# KiCad board psc_daughter_brd.kicad_pcb (continued)
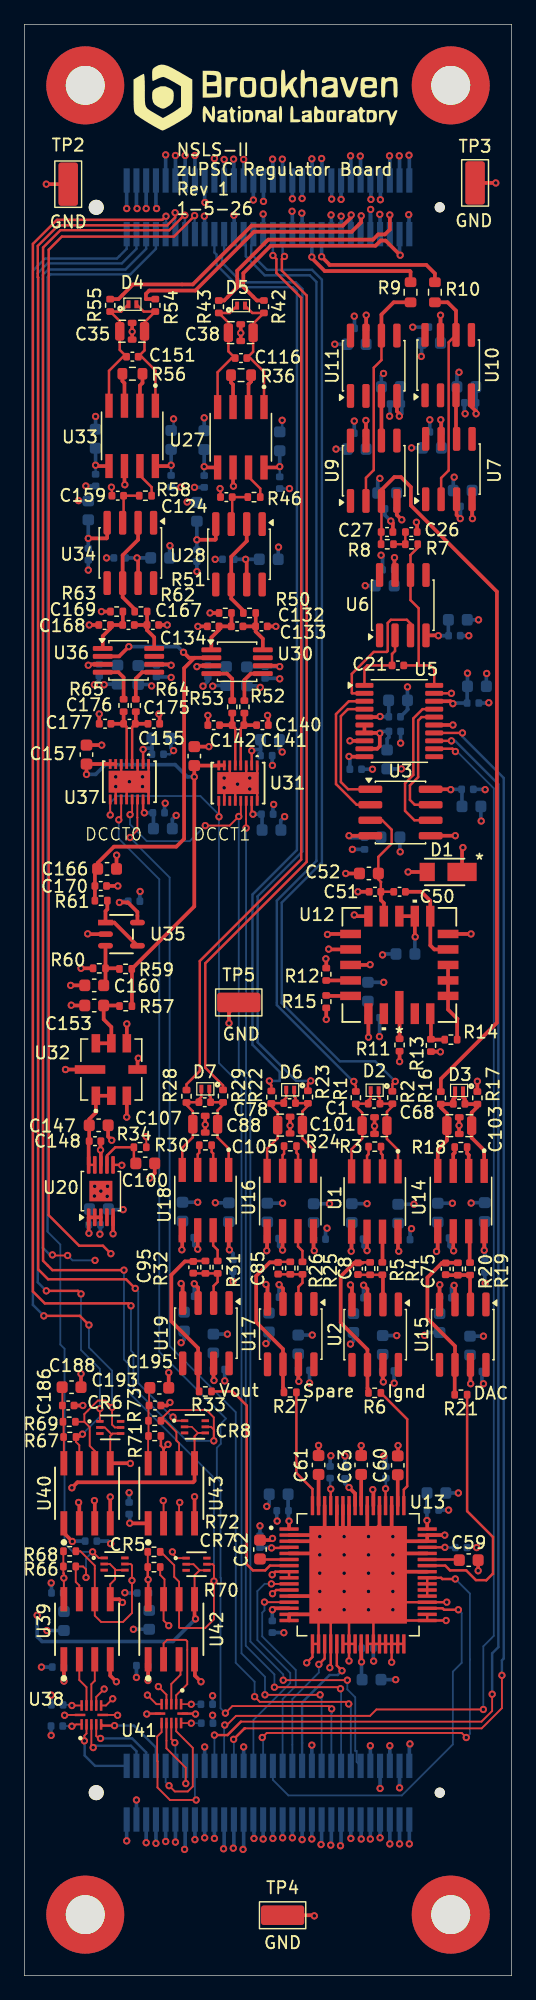
[diagram p0: board, top side]
## Footprints (pads in the part's own frame, mm; a bottom-side part is the same pattern mirrored in y, then rotated)
AMPHENOL_61082-061400LF
  round 0.83 hole 0.83 unplated: (-14.1,0)
  round 1.23 hole 1.23 unplated: (14.1,0)
  rect 0.5x2 smd: 1(11.6,2.2) 2(11.6,-2.2) 3(10.8,2.2) 4(10.8,-2.2) 5(10,2.2) 6(10,-2.2) 7(9.2,2.2) 8(9.2,-2.2) 9(8.4,2.2) 10(8.4,-2.2) 11(7.6,2.2) 12(7.6,-2.2) 13(6.8,2.2) 14(6.8,-2.2) 15(6,2.2) 16(6,-2.2) 17(5.2,2.2) 18(5.2,-2.2) 19(4.4,2.2) 20(4.4,-2.2) 21(3.6,2.2) 22(3.6,-2.2) 23(2.8,2.2) 24(2.8,-2.2) 25(2,2.2) 26(2,-2.2) 27(1.2,2.2) 28(1.2,-2.2) 29(0.4,2.2) 30(0.4,-2.2) 31(-0.4,2.2) 32(-0.4,-2.2) 33(-1.2,2.2) 34(-1.2,-2.2) 35(-2,2.2) 36(-2,-2.2) 37(-2.8,2.2) 38(-2.8,-2.2) 39(-3.6,2.2) 40(-3.6,-2.2) 41(-4.4,2.2) 42(-4.4,-2.2) 43(-5.2,2.2) 44(-5.2,-2.2) 45(-6,2.2) 46(-6,-2.2) 47(-6.8,2.2) 48(-6.8,-2.2) 49(-7.6,2.2) 50(-7.6,-2.2) 51(-8.4,2.2) 52(-8.4,-2.2) 53(-9.2,2.2) 54(-9.2,-2.2) 55(-10,2.2) 56(-10,-2.2) 57(-10.8,2.2) 58(-10.8,-2.2) 59(-11.6,2.2) 60(-11.6,-2.2)
C_0402_1005Metric
  rrect 0.56x0.62 smd: 1(-0.48,0) 2(0.48,0)
C_0603_1608Metric
  rrect 0.9x0.95 smd: 1(-0.775,0) 2(0.775,0)
DFLS130-7_DIO
  rect 2.388x1.499 smd: 1(-1.431,0)
  rect 1.245x1.499 smd: 2(1.431,0)
DFN-16_DE_LIT
  rect 0.805x0.229 smd: 1(-1.452,1.575) 2(-1.452,1.125) 3(-1.452,0.675) 4(-1.452,0.225) 5(-1.452,-0.225) 6(-1.452,-0.675) 7(-1.452,-1.125) 8(-1.452,-1.575) 9(1.452,-1.575) 10(1.452,-1.125) 11(1.452,-0.675) 12(1.452,-0.225) 13(1.452,0.225) 14(1.452,0.675) 15(1.452,1.125) 16(1.452,1.575)
  rect 1.8x3.4 smd: 17(0,0)
E-20-1_ADI
  rect 0.686x2.718 smd: 1(0,3.493)
  rect 0.686x1.702 smd: 2(-1.27,4) 3(-2.54,4) 9(-2.54,-4) 10(-1.27,-4) 11(0,-4) 12(1.27,-4) 13(2.54,-4) 19(2.54,4) 20(1.27,4)
  rect 1.702x0.686 smd: 4(-4,2.54) 5(-4,1.27) 6(-4,0) 7(-4,-1.27) 8(-4,-2.54) 14(4,-2.54) 15(4,-1.27) 16(4,0) 17(4,1.27) 18(4,2.54)
EMCT101W222M1GV001E
  rrect 0.762x1.524 smd: 1(-1.016,0) 2(1.016,0)
  rrect 0.711x0.508 smd: 3(0,-0.686) 4(0,0.686)
LT6202CS5
  rect 1.219x0.457 smd: 1(-1.31,0.95)
  oval 1.219x0.457 smd: 2(-1.31,0) 3(-1.31,-0.95) 4(1.31,-0.95) 5(1.31,0.95)
LTC6655
  rect 1.5x0.7 smd: 1(-2.15,1.27) 2(-2.15,0) 3(-2.15,-1.27) 5(2.15,-1.27) 6(2.15,0) 7(2.15,1.27)
  rect 0.7x1.5 smd: 4(0,-2.15)
  rect 0.7x2.5 smd: 8(0,1.75)
MountingHole_3.2mm_M3_Pad_TopBottom
  round 3.6 hole 3.2: 1(0,0)
  round 6.4 smd: 1(0,0)
  round 6.4 smd far side: 1(0,0)
MSOP-8_3x3mm_P0.65mm
  rrect 1.625x0.4 smd: 1(-2.112,0.975) 2(-2.112,0.325) 3(-2.112,-0.325) 4(-2.112,-0.975) 5(2.112,-0.975) 6(2.112,-0.325) 7(2.112,0.325) 8(2.112,0.975)
MSOP-10-1EP_3x3mm_P0.5mm_EP1.68x1.88mm
  rrect 0.68x0.76 smd: (-0.42,0.47) (-0.42,-0.47) (0.42,0.47) (0.42,-0.47)
  rrect 1.45x0.3 smd: 1(-2.15,1) 2(-2.15,0.5) 3(-2.15,0) 4(-2.15,-0.5) 5(-2.15,-1) 6(2.15,-1) 7(2.15,-0.5) 8(2.15,0) 9(2.15,0.5) 10(2.15,1)
  rect 1.68x1.88 smd: 11(0,0)
PQFP12_RUT_TEX
  rect 0.864x0.203 smd: 1(-0.775,0.8) 2(-0.775,0.4) 3(-0.775,0) 4(-0.775,-0.4) 5(-0.775,-0.8) 7(0.775,-0.8) 8(0.775,-0.4) 9(0.775,0) 10(0.775,0.4) 11(0.775,0.8)
  rect 0.203x0.864 smd: 6(0,-0.927) 12(0,0.927)
QFP50P1200X1200X160-64N
  rrect 1.57x0.28 smd: 1(-5.67,3.75) 2(-5.67,3.25) 3(-5.67,2.75) 4(-5.67,2.25) 5(-5.67,1.75) 6(-5.67,1.25) 7(-5.67,0.75) 8(-5.67,0.25) 9(-5.67,-0.25) 10(-5.67,-0.75) 11(-5.67,-1.25) 12(-5.67,-1.75) 13(-5.67,-2.25) 14(-5.67,-2.75) 15(-5.67,-3.25) 16(-5.67,-3.75) 33(5.67,-3.75) 34(5.67,-3.25) 35(5.67,-2.75) 36(5.67,-2.25) 37(5.67,-1.75) 38(5.67,-1.25) 39(5.67,-0.75) 40(5.67,-0.25) 41(5.67,0.25) 42(5.67,0.75) 43(5.67,1.25) 44(5.67,1.75) 45(5.67,2.25) 46(5.67,2.75) 47(5.67,3.25) 48(5.67,3.75)
  rrect 0.28x1.57 smd: 17(-3.75,-5.67) 18(-3.25,-5.67) 19(-2.75,-5.67) 20(-2.25,-5.67) 21(-1.75,-5.67) 22(-1.25,-5.67) 23(-0.75,-5.67) 24(-0.25,-5.67) 25(0.25,-5.67) 26(0.75,-5.67) 27(1.25,-5.67) 28(1.75,-5.67) 29(2.25,-5.67) 30(2.75,-5.67) 31(3.25,-5.67) 32(3.75,-5.67) 49(3.75,5.67) 50(3.25,5.67) 51(2.75,5.67) 52(2.25,5.67) 53(1.75,5.67) 54(1.25,5.67) 55(0.75,5.67) 56(0.25,5.67) 57(-0.25,5.67) 58(-0.75,5.67) 59(-1.25,5.67) 60(-1.75,5.67) 61(-2.25,5.67) 62(-2.75,5.67) 63(-3.25,5.67) 64(-3.75,5.67)
  rect 8x8 smd: 65(0,0)
R_8_ADI
  rect 1.981x0.559 smd: 1(-2.464,1.905) 2(-2.464,0.635) 3(-2.464,-0.635) 4(-2.464,-1.905) 5(2.464,-1.905) 6(2.464,-0.635) 7(2.464,0.635) 8(2.464,1.905)
R_0402_1005Metric
  rrect 0.54x0.64 smd: 1(-0.51,0) 2(0.51,0)
R_0603_1608Metric
  rrect 0.8x0.95 smd: 1(-0.825,0) 2(0.825,0)
SOIC127P600X175-8N
  rect 1.97x0.6 smd: 1(-2.475,1.905) 2(-2.475,0.635) 3(-2.475,-0.635) 4(-2.475,-1.905) 5(2.475,-1.905) 6(2.475,-0.635) 7(2.475,0.635) 8(2.475,1.905)
SOIC-8_3.9x4.9mm_P1.27mm
  rrect 1.95x0.6 smd: 1(-2.475,1.905) 2(-2.475,0.635) 3(-2.475,-0.635) 4(-2.475,-1.905) 5(2.475,-1.905) 6(2.475,-0.635) 7(2.475,0.635) 8(2.475,1.905)
SOT563_LTF
  rect 0.61x0.229 smd: 1(-0.851,0.5) 2(-0.851,0) 3(-0.851,-0.5) 4(0.851,-0.5) 5(0.851,0) 6(0.851,0.5)
sp3118-01etg
  rect 0.325x0.65 smd: 1(-0.325,0) 2(0.325,0)
TestPoint_RCS-0C
  rrect 3.55x1.6 smd: 1(0,0)
TSSOP-20_4.4x6.5mm_P0.65mm
  rrect 1.475x0.4 smd: 1(-2.862,2.925) 2(-2.862,2.275) 3(-2.862,1.625) 4(-2.862,0.975) 5(-2.862,0.325) 6(-2.862,-0.325) 7(-2.862,-0.975) 8(-2.862,-1.625) 9(-2.862,-2.275) 10(-2.862,-2.925) 11(2.862,-2.925) 12(2.862,-2.275) 13(2.862,-1.625) 14(2.862,-0.975) 15(2.862,-0.325) 16(2.862,0.325) 17(2.862,0.975) 18(2.862,1.625) 19(2.862,2.275) 20(2.862,2.925)

## Nets
+1.8V: C29.1 C145.1 C146.1 C180.1 C181.1 C182.1 J2.6 J2.8 J2.10 U5.10 U31.15 U37.15 U38.1
+1V8: C189.1 U41.11
+2.5V: C143.1 C144.1 C178.1 C179.1 J2.56 J2.58 J2.60 U31.2 U37.2
+3.3V: C15.1 C16.1 C66.1 C67.1 D1.2 J2.22 J2.24 J2.26 U5.6 U5.7 U5.9 U13.8 U13.9 U13.11 U13.25
+5.0V: C53.1 C54.1 C55.1 C56.1 C58.1 C65.1 C102.1 C104.1 C183.1 C184.1 C190.1 C191.1 J2.42 J2.44 J2.46 U13.4 U13.14 U13.45 U13.52 U13.57 U13.61 U38.11 U39.1 U40.1 U41.1 U42.1 U43.1
+5.3VA: C136.1 C138.1 C164.1 C171.1 C173.1 J1.43 J1.45 U30.3 U35.5 U36.3
+15V: C3.1 C5.1 C7.1 C10.1 C12.1 C14.1 C18.1 C20.1 C23.1 C25.1 C31.1 C33.1 C37.1 C39.1 C42.1 C43.1 C46.1 C47.1 C48.1 C49.1 C57.1 C64.1 C70.1 C72.1 C74.1 C77.1 C80.1 C82.1 C84.1 C87.1 C90.1 C92.1 C94.1 C97.1 C106.1 C108.1 C121.1 C123.1 C127.1 C130.1 C156.1 C158.1 C162.1 C165.1 D1.1 J1.27 J1.29 R15.2 U1.8 U2.7 U3.8 U5.5 U6.7 U7.7 U9.7 U10.7 U11.7 U12.19 U13.48 U14.8 U15.7 U16.8 U17.7 U18.8 U19.7 U20.1 U20.2 U20.3 U20.6 U27.8 U28.7 U33.8 U34.7
-5.3VA: C137.1 C139.1 C172.1 C174.1 J1.51 J1.53 U30.6 U36.6
-15V: C2.1 C4.1 C6.1 C9.1 C11.1 C13.1 C17.1 C19.1 C22.1 C24.1 C28.1 C30.1 C34.1 C36.1 C40.1 C41.1 C44.1 C45.1 C69.1 C71.1 C73.1 C76.1 C79.1 C81.1 C83.1 C86.1 C89.1 C91.1 C93.1 C96.1 C98.1 C99.1 C117.1 C119.1 C126.1 C128.1 C152.1 C154.1 C161.1 C163.1 J1.35 J1.37 U1.5 U2.4 U3.4 U5.18 U6.4 U7.4 U9.4 U10.4 U11.4 U13.1 U14.5 U15.4 U16.5 U17.4 U18.5 U19.4 U27.5 U28.4 U33.5 U34.4
GND: C2.2 C3.2 C4.2 C5.2 C6.2 C7.2 C9.2 C10.2 C11.2 C12.2 C13.2 C14.2 C15.2 C16.2 C17.2 C18.2 C19.2 C20.2 C22.2 C23.2 C24.2 C25.2 C26.2 C27.2 C28.2 C29.2 C30.2 C31.2 C32.2 C33.2 C34.2 C35.3 C35.4 C36.2 C37.2 C38.3 C38.4 C39.2 C40.2 C41.2 C42.2 C43.2 C44.2 C45.2 C46.2 C47.2 C48.2 C49.2 C51.2 C52.2 C53.2 C54.2 C55.2 C56.2 C57.2 C58.2 C59.2 C60.2 C61.2 C62.2 C63.2 C64.2 C65.2 C66.2 C67.2 C69.2 C70.2 C71.2 C72.2 C73.2 C74.2 C76.2 C77.2 C79.2 C80.2 C81.2 C82.2 C83.2 C84.2 C86.2 C87.2 C89.2 C90.2 C91.2 C92.2 C93.2 C94.2 C96.2 C97.2 C98.2 C99.2 C100.2 C101.3 C101.4 C102.2 C103.3 C103.4 C104.2 C105.3 C105.4 C106.2 C107.3 C107.4 C108.2 C117.2 C119.2 C121.2 C123.2 C124.2 C126.2 C127.2 C128.2 C130.2 C132.1 C134.2 C136.2 C137.2 C138.2 C139.2 C140.1 C142.2 C143.2 C144.2 C145.2 C146.2 C147.2 C148.2 C152.2 C153.2 C154.2 C155.2 C156.2 C157.2 C158.2 C159.2 C160.2 C161.2 C162.2 C163.2 C164.2 C165.2 C166.2 C167.1 C169.2 C170.2 C171.2 C172.2 C173.2 C174.2 C175.1 C177.2 C178.2 C179.2 C180.2 C181.2 C182.2 C183.2 C184.2 C185.2 C186.2 C187.2 C188.2 C189.2 C190.2 C191.2 C192.2 C193.2 C194.2 C195.2 J1.17 J1.18 J1.19 J1.21 J1.23 J1.24 J1.25 J1.30 J1.31 J1.33 J1.36 J1.38 J1.39 J1.41 J1.44 J1.46 J1.47 J1.49 J1.52 J1.54 J1.55 J1.57 J1.59 J1.60 J2.2 J2.4 J2.12 J2.14 J2.16 J2.17 J2.18 J2.20 J2.25 J2.28 J2.30 J2.32 J2.34 J2.36 J2.38 J2.39 J2.40 J2.48 J2.50 J2.51 J2.52 J2.53 J2.54 J2.55 J2.57 J2.59 MT1.1 MT2.1 MT3.1 MT4.1 R11.1 R12.1 R13.1 R17.2 R34.1 R51.2 R60.2 R63.2 TP2.1 TP3.1 TP4.1 TP5.1 U1.6 U2.3 U3.5 U5.8 U5.15 U5.19 U7.3 U12.8 U12.13 U12.14 U12.15 U12.16 U13.2 U13.3 U13.5 U13.12 U13.15 U13.16 U13.17 U13.18 U13.20 U13.22 U13.23 U13.24 U13.26 U13.27 U13.28 U13.29 U13.30 U13.31 U13.32 U13.33 U13.34 U13.36 U13.41 U13.44 U13.46 U13.47 U13.51 U13.53 U13.54 U13.55 U13.58 U13.59 U13.60 U13.62 U13.65 U14.6 U15.3 U16.6 U17.3 U18.6 U19.3 U20.5 U20.8 U20.11 U27.6 U31.1 U31.3 U31.6 U31.10 U31.12 U31.16 U31.17 U32.3 U32.4 U32.5 U32.8 U33.6 U35.2 U37.1 U37.3 U37.6 U37.10 U37.12 U37.16 U37.17 U38.6 U38.12 U39.4 U40.4 U41.6 U41.12 U42.4 U43.4
/DAC/dac_mon: C27.1 R8.2 R16.2 U9.3
/DAC/dac_out+: J1.40 R9.2
/DAC/dac_vout-: J1.42 R10.2
/DAC/sclk: J2.19 U5.13
/DAC/sdin: J2.21 U5.12
/DAC/syncn: J2.23 U5.14
/DAC/Voltage Reference/REF_OUT: C50.1 C51.1 C52.1 U3.3 U12.12
/DCCT ADCs/dcct0+: J1.48 R55.2
/DCCT ADCs/dcct0-: J1.50 R54.2
/DCCT ADCs/dcct0_sdo: J2.47 U37.14
/DCCT ADCs/dcct1+: J1.56 R43.2
/DCCT ADCs/dcct1-: J1.58 R42.2
/DCCT ADCs/dcct1_sdo: J2.49 U31.14
/DCCT ADCs/DCCT Channel 1/adc_vref: C155.1 C157.1 R57.1 R59.2 U31.7 U31.8 U37.7 U37.8
/DCCT ADCs/DCCT Channel 1/drv_vref: C166.1 C170.1 R61.1 U30.2 U36.2
/DCCT ADCs/DCCT Channel 2/busy: U31.11
/DCCT ADCs/dcct_busy: J2.43 U37.11
/DCCT ADCs/dcct_cnv: J2.41 U31.9 U37.9
/DCCT ADCs/dcct_sck: J2.45 U31.13 U37.13
/FPGA connector/din0: J2.9 U41.10
/FPGA connector/din1: J2.11 U41.9
/FPGA connector/din2: J2.13 U41.8
/FPGA connector/din3: J2.15 U41.7
/FPGA connector/dout0: J2.1 U38.2
/FPGA connector/dout1: J2.3 U38.3
/FPGA connector/dout2: J2.5 U38.4
/FPGA connector/dout3: J2.7 U38.5
/FPGA connector/mon_busy: J2.31 U13.35
/FPGA connector/mon_convert: J2.29 U13.37 U13.38 U13.39 U13.40
/FPGA connector/mon_fs: J2.33 U13.13
/FPGA connector/mon_reset: J2.27 U13.10
/FPGA connector/mon_sclk: J2.37 U13.21
/FPGA connector/mon_sdo: J2.35 U13.19
/Isolated Digital IO/din0_iso: CR7.1 J1.16 R70.1 U42.7
/Isolated Digital IO/din1_iso: CR7.5 J1.14 R72.1 U42.6
/Isolated Digital IO/din2_iso: CR8.1 J1.12 R71.1 U43.7
/Isolated Digital IO/din3_iso: CR8.5 J1.10 R73.1 U43.6
/Isolated Digital IO/din_iso_gnd: CR7.2 CR7.4 CR8.2 CR8.4 J1.1 J1.3 J1.5 J1.7 U42.5 U43.5
/Isolated Digital IO/dout0_iso: CR5.1 J1.8 R66.1 U39.7
/Isolated Digital IO/dout1_iso: CR5.5 J1.6 R68.1 U39.6
/Isolated Digital IO/dout2_iso: CR6.1 J1.4 R67.1 U40.7
/Isolated Digital IO/dout3_iso: CR6.5 J1.2 R69.1 U40.6
/Isolated Digital IO/dout_iso_gnd: CR5.2 CR5.4 CR6.2 CR6.4 J1.9 J1.11 J1.13 J1.15 U39.5 U40.5
/Monitor ADCs/monitor_dac/mon_out: R21.1 U13.42
/Monitor ADCs/monitor_ignd+: J1.26 R1.2
/Monitor ADCs/monitor_ignd-: J1.28 R2.2
/Monitor ADCs/monitor_ignd/mon_out: R6.1 U13.49
/Monitor ADCs/monitor_spare+: J1.20 R22.2
/Monitor ADCs/monitor_spare-: J1.22 R23.2
/Monitor ADCs/monitor_spare/mon_out: R27.1 U13.64
/Monitor ADCs/monitor_vout+: J1.32 R28.2
/Monitor ADCs/monitor_vout-: J1.34 R29.2
/Monitor ADCs/monitor_vout/mon_out: R33.1 U13.7
Net-(C8-Pad2): C8.2 R5.1 R6.2 U2.6
Net-(C26-Pad1): C26.1 R7.2 R8.1
Net-(C75-Pad2): C75.2 R20.1 R21.2 U15.6
Net-(C85-Pad2): C85.2 R26.1 R27.2 U17.6
Net-(C95-Pad2): C95.2 R32.1 R33.2 U19.6
Net-(C132-Pad2): C132.2 C133.1 R50.1 U30.8
Net-(C133-Pad2): C133.2 C134.1 R51.1 U30.1
Net-(C167-Pad2): C167.2 C168.1 R62.1 U36.8
Net-(C168-Pad2): C168.2 C169.1 R63.1 U36.1
Net-(D2-A1): C1.2 C101.2 D2.1 R2.1 U1.1
Net-(D2-A2): C1.1 C101.1 D2.2 R1.1 U1.4
Net-(D3-A1): C68.2 C103.2 D3.1 R17.1 U14.1
Net-(D3-A2): C68.1 C103.1 D3.2 R16.1 U14.4
Net-(D4-A1): C35.2 C151.2 D4.1 R55.1 U33.4
Net-(D4-A2): C35.1 C151.1 D4.2 R54.1 U33.1
Net-(D5-A1): C38.2 C116.2 D5.1 R43.1 U27.4
Net-(D5-A2): C38.1 C116.1 D5.2 R42.1 U27.1
Net-(D6-A1): C78.2 C105.2 D6.1 R23.1 U16.1
Net-(D6-A2): C78.1 C105.1 D6.2 R22.1 U16.4
Net-(D7-A1): C88.2 C107.2 D7.1 R29.1 U18.1
Net-(D7-A2): C88.1 C107.1 D7.2 R28.1 U18.4
Net-(R3-Pad1): R3.1 U1.2
Net-(R3-Pad2): R3.2 U1.3
Net-(R4-Pad2): R4.2 U1.7
Net-(R18-Pad1): R18.1 U14.2
Net-(R18-Pad2): R18.2 U14.3
Net-(R19-Pad2): R19.2 U14.7
Net-(R24-Pad1): R24.1 U16.2
Net-(R24-Pad2): R24.2 U16.3
Net-(R25-Pad2): R25.2 U16.7
Net-(R30-Pad1): R30.1 U18.2
Net-(R30-Pad2): R30.2 U18.3
Net-(R31-Pad2): R31.2 U18.7
Net-(R36-Pad1): R36.1 U27.2
Net-(R36-Pad2): R36.2 U27.3
Net-(R46-Pad2): R46.2 U27.7
Net-(R52-Pad2): R52.2 U30.5
Net-(R53-Pad2): R53.2 U30.4
Net-(R56-Pad1): R56.1 U33.2
Net-(R56-Pad2): R56.2 U33.3
Net-(R58-Pad2): R58.2 U33.7
Net-(R64-Pad2): R64.2 U36.5
Net-(R65-Pad2): R65.2 U36.4
Net-(U2--): C8.1 R4.1 R5.2 U2.2
Net-(U3A--): U3.2 U5.3
Net-(U3B--): U3.6 U5.17
Net-(U5-INV): C21.2 U5.1 U6.2
Net-(U5-R_{FB}): C21.1 R7.1 U5.20 U6.6
Net-(U5-V_{OUT}): U5.2 U6.3
Net-(U5-V_{REFNF}): U3.7 U5.16
Net-(U5-V_{REFPF}): U3.1 U5.4
Net-(U7--): R10.1 U7.2 U10.6
Net-(U9--): R9.1 U9.2 U11.6
Net-(U10-V_{IN}): U7.6 U10.3
Net-(U11-V_{IN}): U9.6 U11.3
Net-(U12-BUF_INP): C32.1 U12.10 U12.11
Net-(U12-BUF_S): C50.2 U12.7 U12.9
Net-(U12-HTR_ILIM): R12.2 U12.17
Net-(U12-HTR_IN): R15.1 U12.18
Net-(U12-ISET): R11.2 U12.1
Net-(U12-REF6P6_F): R14.1 U12.4 U12.5 U12.6
Net-(U12-TSET): R13.2 R14.2 U12.3
Net-(U13-REFAP): C59.1 U13.43
Net-(U13-REFBP): C60.1 U13.50
Net-(U13-REFCP): C61.1 U13.63
Net-(U13-REFDP): C62.1 U13.6
Net-(U13-REFIO): C63.1 U13.56
Net-(U15--): C75.1 R19.1 R20.2 U15.2
Net-(U17--): C85.1 R25.1 R26.2 U17.2
Net-(U19--): C95.1 R31.1 R32.2 U19.2
Net-(U20-OUT): C147.1 C148.1 U20.9 U20.10 U32.1 U32.2
Net-(U20-SET): C100.1 R34.2 U20.7
Net-(U28-+): C124.1 R46.1 U28.3
Net-(U28--): R50.2 U28.2 U28.6
Net-(U31-IN+): C140.2 C141.1 R52.1 U31.4
Net-(U31-IN-): C141.2 C142.1 R53.1 U31.5
Net-(U32-VOUT_F): C153.1 R57.2 U32.6 U32.7
Net-(U34-+): C159.1 R58.1 U34.3
Net-(U34--): R62.2 U34.2 U34.6
Net-(U35-+): C160.1 R59.1 R60.1 U35.3
Net-(U35--): R61.2 U35.1 U35.4
Net-(U37-IN+): C175.2 C176.1 R64.1 U37.4
Net-(U37-IN-): C176.2 C177.1 R65.1 U37.5
Net-(U38-B1Y): U38.10 U39.2
Net-(U38-B2Y): U38.9 U39.3
Net-(U38-B3Y): U38.8 U40.2
Net-(U38-B4Y): U38.7 U40.3
Net-(U39-VISO): C185.1 C187.1 R66.2 R68.2 U39.8
Net-(U40-VISO): C186.1 C188.1 R67.2 R69.2 U40.8
Net-(U41-A1): U41.2 U42.2
Net-(U41-A2): U41.3 U42.3
Net-(U41-A3): U41.4 U43.2
Net-(U41-A4): U41.5 U43.3
Net-(U42-VISO): C192.1 C194.1 R70.2 R72.2 U42.8
Net-(U43-VISO): C193.1 C195.1 R71.2 R73.2 U43.8

Pads without a net: CR5 3 6; CR6 3 6; CR7 3 6; CR8 3 6; U2 1 5 8; U5 11; U6 1 5 8; U7 1 5 8; U9 1 5 8; U10 1 2 5 8; U11 1 2 5 8; U12 2 20; U15 1 5 8; U17 1 5 8; U19 1 5 8; U20 4; U28 1 5 8; U30 7; U34 1 5 8; U36 7

## Via types
v1: diameter 0.6, hole 0.3, F.Cu - L1-sig to B.Cu - L10-sig, 495 vias

## Routing (per net, layer and track width the routed paths; a pad name or vN(x,y) marks a point on that pad's centre or on a via; arc(x,y) is an arc through that point)
+1.8V: length 16.3
  F.Cu - L1-sig w0.15: U38.1 4.25,20.6 4.1,20.45 v1(3.9,20.45)
  F.Cu - L1-sig w0.2: v1(18.76,95.24) 18.66,95.34 U31.15 ; U37.15 9.75,95.45 v1(9.85,95.35)
  F.Cu - L1-sig w0.3: v1(26.65,99.97) 26.68,99.95 U5.10
  B.Cu - L10-sig w0.15: v1(3.9,20.45) 3.88,20.47 C182.1
  B.Cu - L10-sig w0.3: C145.1 19.51,95.19 C146.1 v1(18.76,95.24) ; 10.8,12.85 v1(10.8,10.85) ; C29.1 26.72,99.91 v1(26.65,99.97) ; 11.6,13 v1(11.6,11) ; 10,12.9 v1(10,10.9) ; C180.1 10.6,95.3 C181.1 v1(9.85,95.35)
+1V8: length 1.7
  F.Cu - L1-sig w0.12: v1(13.7,20.7) 13.69,20.71 U41.11
  B.Cu - L10-sig w0.12: C189.1 v1(13.7,20.7)
+2.5V: length 12.5
  F.Cu - L1-sig w0.2: U31.2 v1(18.66,100.44) ; U37.2 v1(9.75,100.55)
  B.Cu - L10-sig w0.3: v1(18.66,100.44) 18.76,100.54 19.39,100.54 ; J2.58 v1(30.8,10.8) ; 19.39,100.54 19.39,100.04 C144.1 ; 19.39,100.54 C143.1 ; C179.1 10.47,100.16 10.47,100.65 ; v1(9.75,100.55) 9.85,100.65 10.47,100.65 ; J2.60 v1(31.6,10.8) ; J2.56 v1(30,10.8) ; 10.47,100.65 C178.1
+3.3V: length 23.1
  F.Cu - L1-sig w0.2: v1(20.37,31.32) 20.67,31.62 U13.11 ; v1(20.34,32.87) 20.59,33.12 U13.8 U13.9 21.72,32.62
  F.Cu - L1-sig w0.3: D1.2 v1(31.5,90.5) ; U5.6 U5.7 29.15,101.9 v1(29.18,101.88) ; 29.16,101.86 v1(29.18,101.88) ; v1(29.18,101.88) 29.18,100.81 28.96,100.6 U5.9 ; v1(27.68,25.72) 27.65,25.75 U13.25
  B.Cu - L10-sig w0.3: v1(29.18,101.88) 29.32,102.03 C16.1 29.93,101.55 29.78,101.4 C15.1 ; 16.4,12.85 16.4,10.45 ; C67.1 27.69,25.74 v1(27.68,25.72) 27.68,24.47 27.87,24.27 ; 17.2,12.9 17.2,10.5 ; J2.26 18,10.4
  vias: v1(16.35,10.4) v1(17.15,10.45) v1(17.95,10.35)
+5.0V: length 35.6
  F.Cu - L1-sig w0.12: U41.1 13.69,22.26 v1(13.7,22.25)
  F.Cu - L1-sig w0.15: U38.11 v1(3.9,22.15)
  F.Cu - L1-sig w0.2: v1(20.29,35.07) 21.68,35.07 U13.4 ; U13.61 v1(25.15,39.9) ; 34.53,35.12 v1(34.52,35.12) U13.45 ; U13.52 v1(29.65,39.93)
  F.Cu - L1-sig w0.3: v1(3.94,35.6) 3.24,36.3 U40.1 ; U39.1 3.24,24.16 v1(3.25,24.15) ; v1(26.65,40.03) 27.15,39.53 U13.57 ; v1(10.15,24.2) 10.16,24.21 U42.1 ; U43.1 8.66,37.09 v1(8.65,37.1) ; v1(20.36,30) 20.48,30.12 U13.14
  B.Cu - L10-sig w0.12: C191.1 v1(13.7,22.25)
  B.Cu - L10-sig w0.15: C183.1 3.85,22.2 v1(3.9,22.15)
  B.Cu - L10-sig w0.2: v1(29.65,39.93) 29.68,39.95 C56.1 ; C53.1 25.1,39.95 v1(25.15,39.9) ; C58.1 34.54,35.1 v1(34.52,35.12)
  B.Cu - L10-sig w0.3: 24.4,13.2 24.4,10.8 ; C55.1 26.32,40.36 v1(26.65,40.03) ; C104.1 v1(3.25,24.15) ; 25.2,13.15 25.2,10.75 ; v1(10.15,24.2) 10.16,24.21 C190.1 ; C184.1 8.65,37.79 v1(8.65,37.1) ; 26,13.1 26,10.7 ; C102.1 3.97,35.63 v1(3.94,35.6) ; v1(20.29,35.07) 20.26,35.1 C65.1 ; v1(20.36,30) 20.35,29.99 C54.1
  vias: v1(24.35,10.75) v1(25.15,10.7) v1(25.95,10.65)
+5.3VA: length 14
  F.Cu - L1-sig w0.3: U30.3 14.24,107.41 v1(14.16,107.34) ; v1(7.8,88) 8.5,88 9.28,87.22 U35.5 ; v1(5.25,107.45) 5.32,107.53 U36.3
  B.Cu - L10-sig w0.3: C171.1 6.23,107.45 C173.1 5.33,107.53 v1(5.25,107.45) ; v1(7.8,88) 7.9,88.1 C164.1 ; v1(14.16,107.34) 14.24,107.42 C138.1 15.14,107.34 C136.1 ; 26,147.25 v1(26,145.65) ; 25.22,147.28 v1(25.22,145.68)
+15V: length 95.4
  F.Cu - L1-sig w0.2: v1(8,66.45) 7.97,66.48 U20.6 ; 19.74,123.74 U27.8 ; 11.98,123.78 v1(12.05,123.85) ; 10.83,123.85 U33.8 ; 20.89,123.67 v1(20.96,123.74)
  F.Cu - L1-sig w0.3: U28.7 18.25,116.05 v1(18.16,116.14) ; U20.3 U20.2 U20.1 5.28,60.9 v1(5.3,60.88) ; v1(9.25,116.25) 9.34,116.16 U34.7 ; 24.78,79.36 v1(24.78,78.41) 24.78,78.4 ; U3.8 34.97,97.28 v1(35,97.25) ; v1(36,92.5) 35.93,92.43 D1.1 ; U11.7 28.06,134.51 v1(28.06,136.16) ; v1(22.53,48.73) 22.5,48.76 U17.7 ; U27.8 20.89,123.67 ; v1(15.56,48.8) 15.53,48.83 U19.7 ; v1(28.25,76.95) 28.24,76.96 U12.19 ; U2.7 29.44,48.72 v1(29.47,48.69) ; v1(34.16,136.16) 34.16,136.15 U10.7 ; v1(33.05,37.32) 33.07,37.31 U13.48 ; U9.7 28.04,127.52 v1(28.03,127.53) ; v1(36.63,48.53) 36.62,48.55 U15.7 ; U7.7 34.21,127.55 v1(34.18,127.58) ; v1(16.83,59.52) 16.77,59.58 U18.8 ; U14.8 37.75,59.48 v1(37.75,59.47) ; U6.7 30.38,114.9 v1(30.38,116.28) ; U1.8 30.67,59.46 v1(30.73,59.4) ; v1(23.79,59.44) 23.74,59.5 U16.8 ; U5.5 29.15,103.2 v1(29.2,103.25) ; U33.8 11.98,123.78
  B.Cu - L10-sig w0.2: C158.1 v1(12.05,123.85) ; C123.1 v1(20.96,123.74)
  B.Cu - L10-sig w0.3: C48.1 C49.1 28.25,78.5 v1(28.25,76.95) ; C31.1 34.23,126.56 C37.1 34.24,127.52 v1(34.18,127.58) ; v1(36.63,48.53) 36.6,48.56 36.6,50.87 C74.1 ; C121.1 v1(20.96,123.74) ; C57.1 33.05,38.18 33.04,38.18 33.04,37.33 v1(33.05,37.32) ; v1(29.47,48.69) 29.38,48.76 29.38,49.59 29.41,49.62 C3.1 ; C90.1 15.51,49.73 C92.1 15.49,48.88 v1(15.56,48.8) ; C7.1 30.7,61.68 C5.1 30.7,59.43 v1(30.73,59.4) ; C162.1 v1(12.05,123.85) ; C70.1 37.8,61.82 C72.1 37.8,59.43 v1(37.75,59.47) ; 27.98,127.58 v1(28.03,127.53) 28.04,127.52 C39.1 28.06,126.46 C33.1 ; C127.1 v1(18.16,116.14) C130.1 ; C80.1 22.48,49.66 C82.1 22.45,48.81 v1(22.53,48.73) ; C97.1 17.12,59.22 16.83,59.52 v1(16.83,59.52) 16.8,59.55 16.8,61.8 C94.1 ; C12.1 35.93,97.25 C14.1 35.03,97.28 v1(35,97.25) ; 5.35,63.05 5.35,61.8 5.28,61.72 5.28,60.9 v1(5.3,60.88) ; v1(23.79,59.44) 23.76,59.47 23.76,61.72 C84.1 ; C23.1 30.36,113.98 C25.1 30.36,116.25 v1(30.38,116.28) ; C165.1 v1(9.25,116.25) C156.1 ; C18.1 29.91,104.56 C20.1 29.22,103.22 v1(29.2,103.25) ; C43.1 28.06,135.07 C47.1 v1(28.06,136.16) 28.08,136.18 ; 19.62,147.09 v1(19.62,145.49) ; C42.1 34.16,135.17 C46.1 v1(34.16,136.16) 34.18,136.18 ; J1.27 v1(18.8,145.6)
-5.3VA: length 11.5
  F.Cu - L1-sig w0.3: v1(20.96,107.34) 20.89,107.41 U30.6 ; U36.6 11.97,107.53 v1(12.05,107.45)
  B.Cu - L10-sig w0.3: 28.45,147.25 v1(28.45,145.65) ; C172.1 10.82,107.43 C174.1 v1(12.05,107.45) ; C137.1 19.74,107.31 C139.1 v1(20.96,107.34) ; 29.22,147.22 v1(29.22,145.62)
-15V: length 84.4
  F.Cu - L1-sig w0.2: 5.92,123.78 v1(5.85,123.85) ; 15.69,123.84 U27.5 ; 6.78,123.95 U33.5 ; 14.83,123.67 v1(14.76,123.74)
  F.Cu - L1-sig w0.3: v1(26.65,93.47) 26.66,93.47 U3.4 ; U14.5 33.94,59.49 v1(33.84,59.38) ; v1(34.1,56.65) 34.08,56.63 U15.4 ; v1(5.25,117.85) 6.75,117.85 6.8,117.9 U34.4 ; U13.1 21.73,37.27 v1(21.72,37.28) ; U19.4 13,56.62 v1(12.87,56.75) ; U2.4 26.9,56.5 v1(26.76,56.63) ; v1(12.93,59.52) 12.96,59.55 U18.5 ; U28.4 15.71,117.79 15.66,117.74 v1(14.16,117.74) ; v1(30.98,119.38) 30.58,119.78 30.58,120.92 ; v1(35.18,104.3) 34.97,104.5 U5.18 ; v1(36.78,119.47) 36.75,119.5 U7.4 ; U33.5 5.92,123.78 ; v1(19.83,56.68) 19.96,56.55 U17.4 ; v1(33.98,109.88) 33.96,109.9 U6.4 ; U27.5 14.83,123.67 ; U16.5 19.93,59.47 v1(19.9,59.44) ; v1(30.78,127.88) 30.78,128.07 30.58,128.28 U11.4 ; v1(37.08,128.07) 37.08,128.28 36.7,128.66 U10.4 ; v1(26.83,59.4) 26.86,59.43 U1.5
  B.Cu - L10-sig w0.2: C163.1 v1(5.85,123.85) ; C117.1 v1(14.76,123.74)
  B.Cu - L10-sig w0.3: 22,147.3 v1(22,145.7) ; C30.1 30.56,120.28 C36.1 30.56,119.8 v1(30.98,119.38) ; v1(26.65,93.47) 26.81,93.31 C13.1 29.24,93.31 C11.1 ; v1(36.38,106.8) C17.1 36.34,105.69 C19.1 35.22,104.35 v1(35.18,104.3) ; C40.1 37.08,130.25 C44.1 v1(37.08,128.07) ; C2.1 26.85,61.72 C9.1 26.85,59.42 v1(26.83,59.4) ; 12.99,56.63 C96.1 12.99,54.53 C93.1 ; C22.1 34.81,109.89 C24.1 v1(33.98,109.88) ; C98.1 21.65,38.15 C99.1 21.68,37.32 v1(21.72,37.28) ; C41.1 30.86,130.1 30.98,129.97 C45.1 30.98,128.07 v1(30.78,127.88) ; C161.1 v1(5.85,123.85) ; v1(36.78,119.47) 36.78,120.45 C34.1 36.76,120.48 C28.1 ; C79.1 19.91,61.76 C86.1 19.91,59.46 v1(19.9,59.44) ; C126.1 v1(14.16,117.74) C128.1 ; 19.95,56.56 C81.1 19.95,54.46 C83.1 ; C152.1 v1(5.25,117.85) C154.1 ; v1(12.93,59.52) 12.95,59.54 C91.1 12.95,61.84 C89.1 ; C6.1 26.88,54.41 26.88,56.51 ; 22.8,147.32 v1(22.8,145.72) ; C73.1 34.1,54.31 34.1,56.65 v1(34.1,56.65) ; C119.1 v1(14.76,123.74) ; v1(33.84,59.38) 33.91,59.46 C71.1 33.94,60.51 C69.1
GND: length 426.4
  F.Cu - L1-sig w0.15: 9.29,75.17 v1(9.35,75.22) ; R34.1 10.01,68.79 v1(10,68.8) ; U38.6 7.63,21.37 v1(7.65,21.35) ; v1(3.3,21.35) 3.32,21.37 U38.12
  F.Cu - L1-sig w0.2: v1(8.25,122.25) 8.22,122.28 ; v1(9.7,97.5) 10.2,97 U37.16 ; v1(14.05,21.45) 14.02,21.48 U41.12 ; 9.41,97.9 v1(8.62,97.9) 8.4,97.67 U37.12 ; U37.3 9.3,98.57 ; v1(25.07,25.25) 25.15,25.32 U13.20 25.15,28.9 v1(26.25,30) 26.65,29.6 U13.23 ; 34.62,29.12 v1(34.62,29.12) U13.33 ; U5.19 v1(35.06,105.15) 35.08,105.17 ; v1(30.25,30) 31.13,29.12 U13.33 ; 18.33,97.79 19.11,98.57 U31.1 ; 18.33,97.79 U31.17 ; 18.33,97.79 19.11,97 U31.16 ; 18.33,97.79 U31.17 ; U13.30 U13.29 U13.28 U13.27 ; U13.30 U13.31 U13.32 ; U13.30 v1(30.15,25.7) ; v1(7.15,122.05) 7.19,122.01 C159.2 ; U31.17 17.31,97.56 U31.12 ; U31.17 17.2,97.79 16.41,97 U31.10 ; U31.17 16.86,98.46 U31.6 ; U31.17 18.21,98.46 U31.3 ; v1(17.16,122.14) 17.13,122.17 ; 26.65,25.78 v1(26.65,25.8) U13.23 ; U37.10 7.5,97.12 ; v1(23.18,25.65) 23.65,26.12 U13.17 U13.18 24.15,29.9 v1(24.25,30) ; U13.26 U13.27 ; U13.27 28.65,29.6 v1(28.25,30) ; U13.33 U13.34 ; v1(34.68,30.62) 34.67,30.62 U13.36 31.13,30.62 v1(30.25,31.5) ; U13.23 U13.22 ; U13.23 U13.24 ; U37.1 10.2,98.68 ; U37.6 7.95,98.57 ; U41.6 10.08,21.48 v1(10.05,21.45) ; C124.2 16.1,121.9 v1(16.06,121.94)
  F.Cu - L1-sig w0.3: U13.51 30.15,36.1 v1(30.25,36) 30.63,35.62 U13.46 U13.47 v1(34.51,36.12) ; C100.2 10.7,65.8 v1(10.3,65.4) ; C169.2 v1(5.33,110.75) ; v1(34.15,75.75) 34.13,75.77 R13.1 ; C175.1 11.11,103.39 v1(11.05,103.45) ; 30.68,42.63 v1(30.68,43.47) ; C155.2 v1(15.15,100.78) ; v1(7.68,89.35) C170.2 ; 14,25.94 14,24.6 v1(14.5,24.1) ; U13.5 24.13,34.62 v1(24.25,34.5) ; C140.1 20.02,103.28 v1(19.96,103.34) ; v1(35.78,119.47) 35.48,119.78 U7.3 ; U32.4 9.29,75.17 ; U39.4 7.05,24.6 v1(7.55,24.1) ; TP4.1 23.75,4.95 v1(23.8,4.9) ; U13.16 U13.15 23.87,29.62 v1(24.25,30) ; U12.13 27.18,86.88 v1(27.08,86.97) ; v1(26.25,36) 26.65,36.4 U13.58 ; v1(26.25,36) 25.65,36.6 U13.60 ; v1(26.25,36) 26.15,36.1 U13.59 ; U13.62 24.65,36.4 v1(24.25,36) ; C101.4 v1(28.75,69.66) C101.3 ; v1(28.6,39.85) 28.65,39.8 U13.54 ; v1(35.24,59.44) 35.21,59.47 U14.6 ; v1(20.37,35.85) 20.24,35.72 C62.2 ; C157.2 v1(6.35,100.9) 6.38,100.88 ; v1(35.38,93.47) 35.37,93.47 U3.5 ; C160.2 v1(3.8,81.2) ; C38.4 v1(17.76,134.7) C38.3 ; C177.2 v1(6.15,103.45) ; v1(35.28,56.6) 35.35,56.53 U15.3 ; v1(24.25,36) 23.87,35.62 U13.3 ; v1(24.25,36) 24.13,36.12 U13.2 ; U13.12 23.87,31.12 v1(24.25,31.5) ; v1(16.8,78.1) 16.8,79 TP5.1 ; C188.2 v1(4.65,49.35) ; U13.53 29.15,36.9 v1(28.25,36) 28.15,36.1 U13.55 ; v1(13.94,56.73) 14.26,56.41 14.26,55.15 ; U13.41 30.37,33.12 v1(30.25,33) ; TP2.1 v1(1.8,146.9) ; C186.2 v1(4.8,46.75) 4.85,46.75 ; 28.16,55.03 28.16,56.29 v1(27.84,56.62) ; R51.2 v1(15.24,111.74) ; v1(5.2,85.42) 5.22,85.4 U35.2 ; U12.8 v1(36.66,85.42) 36.68,85.42 ; U33.6 8.22,122.28 ; U32.3 8.41,70.41 v1(8.4,70.4) ; C107.3 v1(14.85,69.78) C107.4 ; v1(30.25,34.5) 30.37,34.62 U13.44 ; C35.4 v1(8.85,134.8) C35.3 ; C132.1 v1(20.64,110.64) ; R60.2 v1(4.65,82.6) ; C105.4 v1(21.81,69.71) C105.3 ; U5.8 v1(26.72,101.25) ; v1(28.38,82.9) 28.35,82.88 U12.16 ; U20.5 v1(7.28,60.83) 7.28,60.82 ; C195.2 v1(11.85,49.45) ; C153.2 3.88,79.55 v1(3.85,79.58) ; v1(7.57,91.88) 7.56,91.86 C166.2 ; R11.1 v1(30.8,74.95) ; C148.2 6.25,68.39 v1(6.25,67.7) 6.28,67.67 U20.8 ; TP3.1 v1(38.7,147) ; C59.2 v1(37.25,33.2) ; U27.6 17.13,122.17 ; U43.4 v1(13.97,39.27) ; C147.2 6.88,68.8 v1(7.18,68.5) ; 27.65,42.63 v1(27.65,43.47) ; U32.5 v1(8.41,78.04) 8.4,78.05 ; 35.24,102.54 35.23,102.55 v1(35.18,102.55) U5.15 ; 35.69,70.43 v1(35.69,69.71) 35.69,69.06 ; C134.2 v1(14.24,110.64) ; v1(11.95,47) 11.7,46.75 C193.2 ; C167.1 v1(11.73,110.75) ; v1(24.75,83.38) 24.78,83.34 R12.1 ; 28.3,88.88 v1(27.38,88.88) ; 30.25,118.38 30.25,119.11 v1(30.08,119.28) ; R63.2 v1(6.33,111.85) ; U16.6 v1(21.19,59.49) ; U1.6 v1(28.13,59.45) ; C26.2 32.24,119.12 v1(32.18,119.17) ; v1(24.98,84.17) 25.01,84.14 U12.15 ; R17.2 v1(37.19,73.33) ; U40.4 v1(7.05,39.25) ; U12.14 24.92,85.42 v1(24.88,85.38) ; C61.2 v1(24.15,43.47) ; C142.2 v1(15.06,103.34) ; U32.8 v1(3.38,74.3) ; v1(20.91,56.66) 21.23,56.34 U17.3 ; U18.6 v1(14.23,59.57) ; C52.2 v1(26.38,90.38)
  B.Cu - L10-sig w0.2: C191.2 v1(15.45,22.95) ; 36.34,35.1 v1(37.12,35.1) 37.18,35.1 ; 12.25,126.7 v1(12.25,127.65) ; C158.2 v1(12.85,122.05) ; v1(15.45,21.35) 15.48,21.32 C189.2 ; v1(12.25,100.45) 11.95,100.15 C179.2 ; 21.16,126.59 v1(21.16,127.54) ; C123.2 v1(21.76,121.94)
  B.Cu - L10-sig w0.3: C143.2 20.94,100.56 v1(21.16,100.34) ; C137.2 19.24,105.76 v1(19.36,105.64) ; v1(2.2,32.2) 2.23,32.17 C185.2 ; v1(15.46,105.74) 15.51,105.79 C136.2 ; v1(6.55,105.85) 6.6,105.9 C171.2 ; C130.2 v1(15.66,116.14) ; J2.18 v1(14.8,11.3) ; 37.8,57.66 37.8,56.8 v1(37.82,56.78) ; C164.2 9.48,88.88 v1(9.5,88.9) ; v1(12.87,51.9) 13.12,52.15 C93.2 ; v1(29.4,83.7) 29.47,83.78 C32.2 ; v1(29.15,77) 29.16,77.01 C49.2 ; v1(8.25,31.4) 8.28,31.37 C192.2 ; 18.85,12.8 v1(18.85,11.25) ; C57.2 v1(35.62,39.57) ; v1(12.46,95.14) 12.15,94.82 C180.2 ; C39.2 v1(27.08,127.47) ; J2.32 v1(20.4,11.25) ; C14.2 37.8,97.28 v1(37.82,97.25) ; C174.2 12.01,106.49 v1(12.05,106.45) ; v1(20.86,117.14) 20.84,117.11 C127.2 ; v1(35.24,59.44) 34.87,59.81 C71.2 ; v1(32.58,132.78) 32.61,132.8 C42.2 ; 31.57,142.53 31.57,144.38 ; 14.8,142.4 14.8,144.25 ; C7.2 v1(31.98,63.25) ; J2.53 v1(29.2,15.35) ; J1.17 14.8,145.43 v1(14.82,145.4) ; v1(7.08,35.42) 6.87,35.63 C102.2 ; v1(30.85,92.15) 30.82,92.17 30.82,93.35 ; 27.65,12.75 v1(27.65,11.2) ; C15.2 v1(30.95,98.95) ; v1(4.45,120.95) 4.47,120.93 C154.2 ; 19.62,142.57 19.62,144.43 ; 21.2,12.85 v1(21.2,11.3) ; C84.2 v1(25.04,63.29) ; v1(35.28,122.88) 35.21,122.8 C28.2 ; C92.2 16.44,48.87 16.45,48.87 v1(16.45,48.77) ; v1(15.68,63.38) 15.68,63.37 C94.2 ; C172.2 10.32,105.88 v1(10.45,105.75) ; 22.8,12.7 v1(22.8,11.15) ; 17.22,142.47 17.22,144.32 ; 37.78,63.38 36.71,63.38 v1(36.68,63.35) ; v1(30.08,119.28) 29.6,119.75 C36.2 ; 26.8,147.15 26.8,149.2 ; C184.2 v1(8.6,39.6) ; 16.43,146.85 16.43,148.9 ; 27.01,52.74 27.01,52.03 v1(26.76,51.78) ; C2.2 v1(28.13,63.3) ; v1(31.45,105.67) C18.2 31.45,103.85 31.47,103.83 C20.2 ; J1.59 31.6,149.25 v1(31.57,149.28) ; 14.76,127.84 v1(14.76,127.74) C119.2 ; C40.2 35.51,131.3 v1(35.68,131.47) ; 30.9,101.05 v1(30.88,101.06) C16.2 ; J2.2 v1(8.4,11.05) ; 28.4,12.75 v1(28.4,11.2) ; v1(29.48,131.38) 29.31,131.2 C41.2 ; C66.2 v1(30.48,24.27) ; 22,12.85 v1(22,11.3) ; C156.2 11.92,117.23 v1(11.95,117.25) ; C29.2 v1(28.57,98.92) ; C13.2 v1(26.93,92.35) ; C161.2 v1(5.85,127.85) 5.85,127.95 ; C54.2 21.29,28.13 v1(21.3,28.12) ; C34.2 35.8,119.5 v1(35.78,119.47) ; v1(21.97,144.68) 22,144.65 J1.36 ; J2.48 v1(26.8,11.25) ; v1(30.36,48.58) 30.36,48.74 30.34,48.75 C10.2 ; v1(19.83,51.83) 20.08,52.08 C83.2 ; C181.2 11.51,96.08 v1(11.56,96.14) ; C48.2 v1(29.5,81.45) ; 14.8,17.1 v1(14.8,18.75) ; C45.2 30.02,127.92 v1(29.98,127.88) ; 21.2,146.88 21.2,148.93 ; C24.2 v1(36.48,109.88) ; C3.2 v1(30.56,52.49) ; v1(32.85,52.5) 33.09,52.74 34.09,52.74 ; C64.2 v1(34.82,38.18) ; v1(6.2,60.8) 6.24,60.84 6.24,61.72 ; 23.6,12.75 v1(23.6,11.2) ; C81.2 v1(20.91,56.66) 20.93,56.68 ; C76.2 35.06,56.39 v1(35.28,56.6) ; C4.2 v1(27.84,56.62) 27.87,56.63 ; C190.2 v1(9.2,24.45) ; C128.2 v1(14.16,115.14) ; C12.2 37.47,94.7 v1(37.5,94.67) ; v1(38.12,104.38) 38.1,104.35 C19.2 ; C74.2 v1(37.69,52.44) ; C183.2 2.22,22.98 v1(2.2,23) ; v1(19.9,38.47) 20.1,38.68 C98.2 ; 23.6,17.25 v1(23.6,18.9) ; C43.2 v1(25.48,133.78) ; 29.2,142.55 29.2,144.4 ; 29.4,116.25 29.38,116.28 ; 29.4,116.25 C25.2 ; 29.4,116.25 29.4,116.36 v1(29.28,116.47) ; v1(28.43,144.82) 28.4,144.8 J1.52 ; J2.4 v1(9.2,14.4) ; J2.55 v1(30,18.85) ; C44.2 36.12,128.13 v1(36.18,128.07) ; C46.2 v1(31.88,135.18) ; v1(28.67,25.79) 28.65,25.81 C67.2 ; 19.6,12.75 v1(19.6,11.2) ; C173.2 6.15,106.25 v1(5.75,105.85) ; 25.2,142.5 25.2,144.35 ; C194.2 v1(8.95,28.4) ; v1(29.5,42.61) 29.68,42.44 C56.2 ; v1(20.96,106.34) 20.92,106.38 C139.2 ; 15.62,146.93 15.62,148.97 ; C91.2 13.91,59.89 v1(14.23,59.57) ; C77.2 37.56,48.66 v1(37.69,48.53) ; v1(21.36,95.04) 21.05,94.72 21.05,93.95 ; v1(28.13,59.45) 27.81,59.77 C9.2 ; v1(20.75,37.28) 20.72,37.31 C99.2 ; 20.4,146.88 20.4,148.93 ; v1(37.95,106.78) 37.93,106.75 C17.2 ; v1(25.16,42.63) 25.1,42.57 C53.2 ; C152.2 v1(5.25,115.25) ; v1(20.36,99.24) 20.34,99.26 C144.2 ; C104.2 v1(1.4,25.3) ; C106.2 6.94,62.81 v1(8.11,62.81) ; v1(24.84,61.29) 24.72,61.17 C87.2 ; C117.2 v1(13.96,122.04) ; 20.41,95.25 20.41,95.98 ; v1(27.08,136.07) 27.1,136.06 C47.2 ; C80.2 v1(23.63,52.53) ; 30,147.15 30,149.2 ; C31.2 v1(31.78,125.28) ; C69.2 v1(35.13,63.34) ; C65.2 v1(19.34,36.88) ; v1(31.78,61.25) 31.66,61.13 C5.2 ; J2.20 v1(15.6,11.25) ; 29.2,12.85 v1(29.2,11.3) ; J2.12 v1(12.4,10.95) ; C187.2 v1(1.85,28.3) 1.8,28.35 ; C138.2 15.06,106.14 v1(14.66,105.74) ; v1(2.2,19.7) 2.19,19.71 C182.2 ; J2.51 v1(28.4,18.85) ; v1(17.13,56.92) 17.12,56.93 17.12,57.72 ; 18.03,146.85 18.03,148.9 ; C178.2 12.02,100.68 v1(12.25,100.45) ; 13.97,56.75 v1(13.94,56.73) C96.2 ; C89.2 v1(14.23,63.42) ; 23.62,146.9 23.62,148.95 ; C86.2 20.88,59.81 v1(21.19,59.49) ; J2.16 v1(14,11.15) ; C79.2 v1(21.19,63.34) ; 30.8,147.15 30.8,149.2 ; 17.2,146.88 17.2,148.93 ; v1(13.15,10.35) 13.2,10.4 J2.14 ; C126.2 13.39,120.81 ; 24.43,146.93 24.43,148.97 ; 26.03,142.4 26.03,144.25 ; v1(23.41,48.59) C82.2 ; C22.2 v1(37.28,111.17) ; C23.2 v1(27.98,113.97) ; 18,17.1 v1(18,18.75) ; C30.2 29.01,122.6 v1(29.18,122.78) ; C90.2 v1(16.66,52.6) ; 22.8,142.65 22.8,144.5 ; C37.2 v1(33.28,127.58) ; v1(31.65,19) 31.6,18.95 J2.59 ; J2.57 v1(30.8,15.4) ; 27.6,147.12 27.6,149.18 ; C165.2 v1(6.75,116.25) ; C33.2 v1(25.58,125.17) ; 28.43,142.55 28.43,144.4 ; C163.2 v1(5.05,122.15) ; C55.2 v1(26.32,42.61)
  vias: v1(5.78,64.72) v1(5.75,63.93) v1(6.28,64.33) v1(6.82,64.72) v1(6.8,63.9) v1(7.5,98.3) v1(7.5,97.5) v1(9.7,98.3) v1(13.36,120.84) v1(14.78,144.28) v1(15.6,149) v1(16.4,148.93) v1(16.4,98.2) v1(16.4,97.4) v1(17.18,148.95) v1(17.2,144.35) v1(17.5,97.7) v1(18,148.93) v1(18.5,98.2) v1(18.5,97.3) v1(19.6,144.45) v1(20.38,148.95) v1(20.46,96.04) v1(21.18,148.95) v1(22.78,144.53) v1(23.6,148.97) v1(24.25,33) v1(24.4,149) v1(25.18,144.38) v1(26,144.28) v1(26.25,34.5) v1(26.25,33) v1(26.25,31.5) v1(26.78,149.22) v1(27.57,149.2) v1(28.25,34.5) v1(28.25,33) v1(28.25,31.5) v1(29.18,144.43) v1(29.97,149.22) v1(30.78,149.22) v1(31.55,144.4)
